# Allegro board 1140022-KU060_PCIE_FIBER_BOARD_V001_pcb166_20240120_1835_pcb.brd (continued)
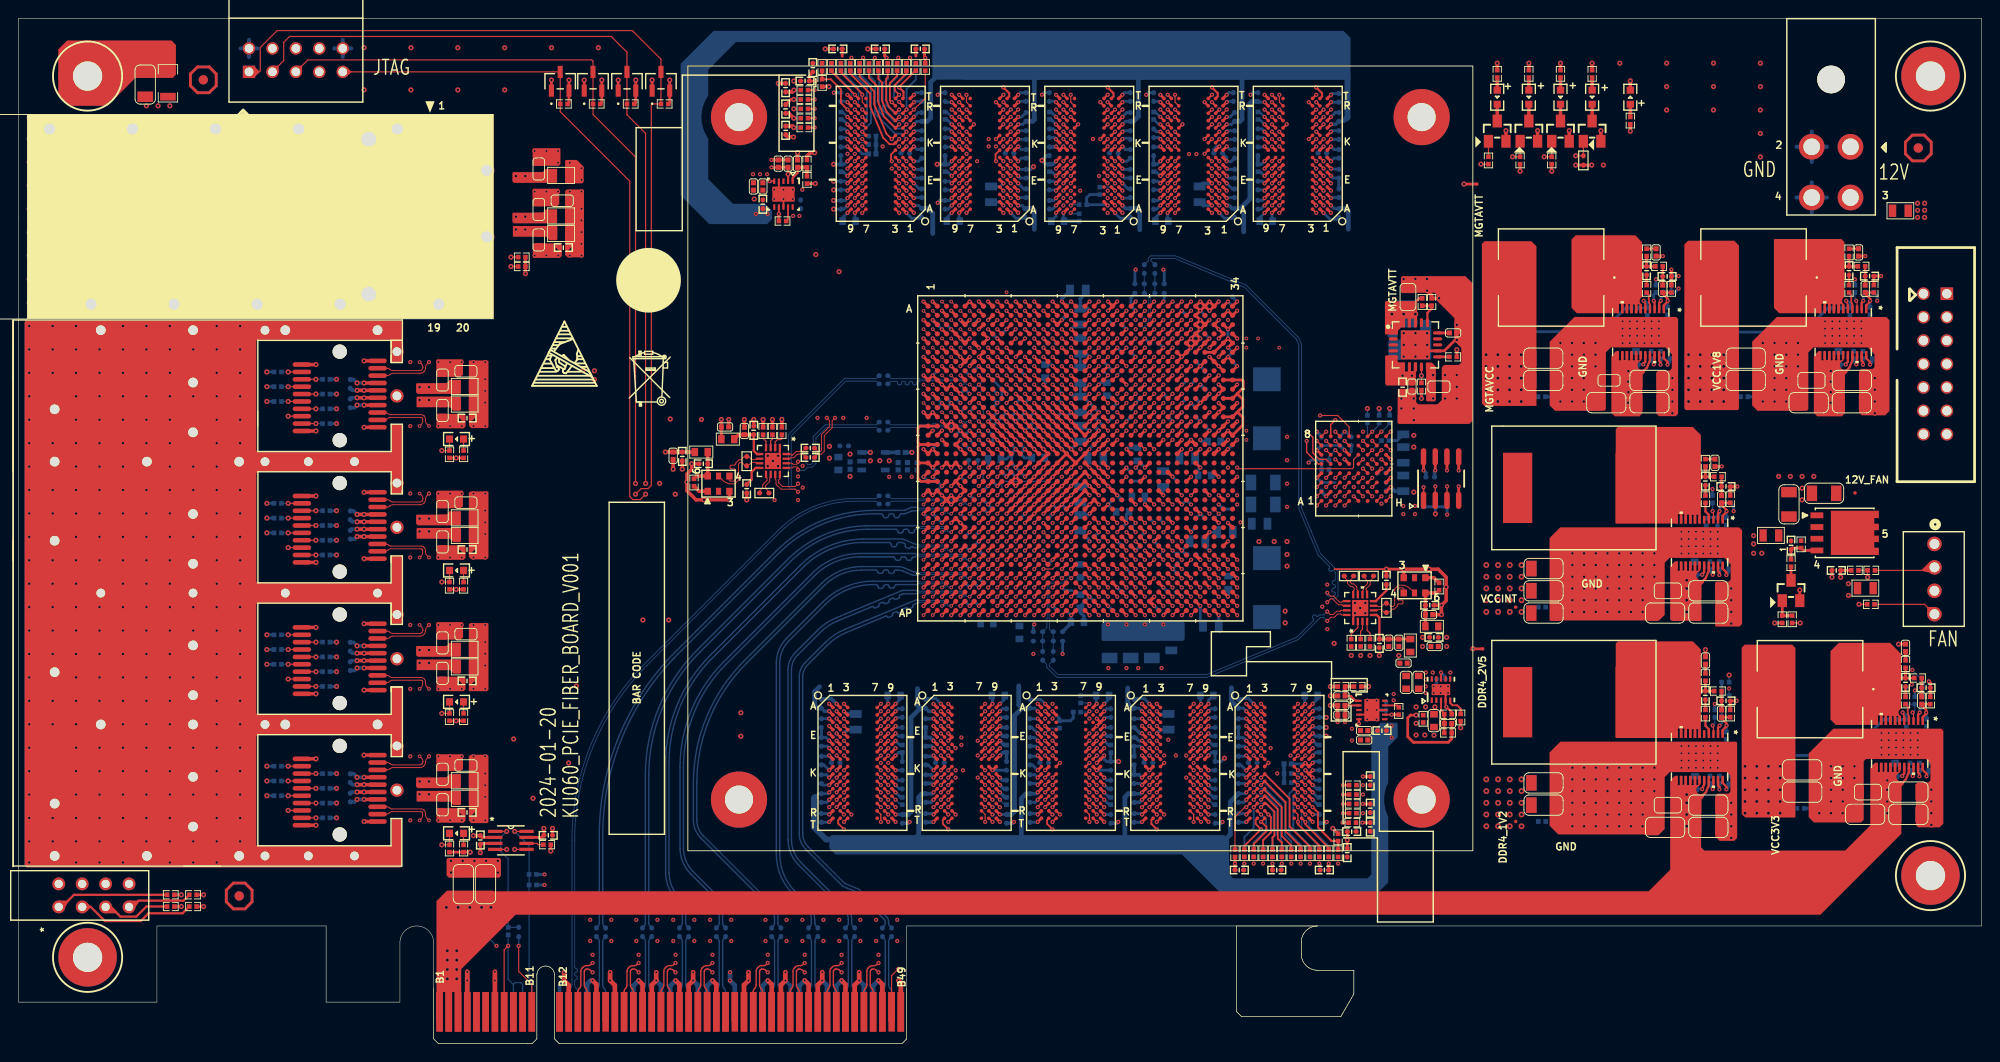
[diagram p0: board, top side]
## Routing (per net, layer and track width the routed paths; a pad name or vN(x,y) marks a point on that pad's centre or on a via; arc(x,y) is an arc through that point) (continued)
CHA_FPGA_DDR4_C1_A6: length 115.4
  TOP w0.201: U5.P2 v1(122.6,25.63) ; U7.P2 v1(133.9,25.63) ; U6.P2 v1(111.29,25.63) ; U3.P2 v1(88.69,25.63) ; U4.P2 v1(99.99,25.63)
  TOP w0.229: U1.AP14 v1(111.11,46.45)
  ART05 w0.137: 87.49,25.23 88.53,25.23 88.69,25.39 v1(88.69,25.63)
  ART05 w0.155: v1(111.11,46.45) 111.2,46.36 111.2,44.91 110.42,44.13 107.65,42.98 107.44,42.98 107.26,43.16 107.26,43.53 107.08,43.71 106.82,43.71 106.64,43.53 106.64,43.16 106.46,42.98 106.2,42.98 106.02,43.16 106.02,43.38 105.84,43.56 105.58,43.56 105.4,43.38 105.4,43.16 105.22,42.98 104.96,42.98 104.78,43.16 104.78,43.38 104.6,43.56 104.34,43.56 104.16,43.38 104.16,43.16 103.98,42.98 103.72,42.98 103.54,43.16 103.54,43.38 103.36,43.56 103.1,43.56 102.92,43.38 102.92,43.16 102.74,42.98 102.48,42.98 102.3,43.16 102.3,43.38 102.12,43.56 101.86,43.56 101.68,43.38 101.68,43.16 101.5,42.98 101.25,42.98 101.06,43.16 101.06,43.38 100.88,43.56 100.63,43.56 100.44,43.38 100.44,43.16 100.26,42.98 99.24,42.98 99.06,43.16 99.06,43.36 98.85,43.58 90.52,43.58 85.72,38.79 85.72,28.88 86.47,28.13 86.47,27.39 86.67,27.2 87.3,27.2 87.45,27.04 87.45,26.73 87.3,26.58 87.05,26.58 86.89,26.42 86.89,25.83 87.49,25.23
  ART12 w0.086: v1(133.9,25.63) 133.85,25.58 133.46,24.65 133.25,24.43 132.96,24.43 132.41,24.21 131.81,23.61 130.37,23.01 127.05,23.01 124.05,26.01 123.14,26.01 122.76,25.63 v1(122.6,25.63) 122.55,25.58 122.16,24.65 121.95,24.43 121.66,24.43 121.11,24.21 120.51,23.61 119.07,23.01 115.75,23.01 112.75,26.01 111.84,26.01 111.46,25.63 v1(111.29,25.63) 111.24,25.58 110.86,24.65 110.64,24.43 110.35,24.43 109.81,24.21 109.21,23.61 107.76,23.01 104.44,23.01 101.45,26.01 100.53,26.01 100.15,25.63 v1(99.99,25.63) 99.94,25.58 99.55,24.65 99.34,24.43 99.05,24.43 98.5,24.21 97.91,23.61 96.46,23.01 93.14,23.01 90.14,26.01 89.06,26.01 v1(88.69,25.63)
  BOTTOM w0.201: R89.1 132.89,22.39 133.9,23.4 v1(133.9,25.63)
CHA_FPGA_DDR4_C1_A7: length 117.8
  TOP w0.201: U5.R8 v1(128.2,24.83) ; U4.R8 v1(105.59,24.83) ; U3.R8 v1(94.29,24.83) ; U7.R8 v1(139.5,24.83) ; U6.R8 v1(116.89,24.83)
  TOP w0.229: U1.AN19 v1(117.11,47.45)
  ART05 w0.137: 112.49,27.63 98.95,27.63 98.53,27.21 ; v1(94.29,24.83) 94.69,25.23 95.44,25.23
  ART05 w0.155: v1(117.11,47.45) 117.11,47.23 117.6,46.74 117.6,46.1 117.26,45.76 117.26,44.64 117.41,44.49 118.08,44.49 118.24,44.33 118.24,44.02 118.08,43.87 117.41,43.87 117.26,43.71 117.26,43.4 117.41,43.25 118.08,43.25 118.24,43.09 118.24,42.78 118.08,42.63 117.41,42.63 117.26,42.47 117.26,42.16 117.41,42.01 118.08,42.01 118.24,41.85 118.24,41.54 118.08,41.39 117.41,41.39 117.26,41.23 117.26,40.04 117.41,39.88 117.9,39.88 118.06,39.73 118.06,39.42 117.9,39.26 117.41,39.26 117.26,39.11 117.26,38.54 117.04,38.33 116.66,38.33 116.5,38.48 116.5,38.73 116.35,38.89 116.04,38.89 115.88,38.73 115.88,38.48 115.73,38.33 114.12,38.33 113.39,37.59 113.39,37.1 113.23,36.94 113.03,36.94 112.88,36.79 112.88,36.48 113.03,36.32 113.23,36.32 113.39,36.17 113.39,35.86 113.23,35.7 112.93,35.7 112.78,35.55 112.78,35.24 112.93,35.08 113.23,35.08 113.39,34.93 113.39,34.62 113.23,34.46 112.93,34.46 112.78,34.31 112.78,34 112.93,33.84 113.23,33.84 113.39,33.69 113.39,33.38 113.23,33.22 112.93,33.22 112.78,33.07 112.78,32.76 112.93,32.6 113.23,32.6 113.39,32.45 113.39,32.14 113.23,31.98 112.93,31.98 112.78,31.83 112.78,31.52 112.93,31.37 113.23,31.37 113.39,31.21 113.39,28.53 112.49,27.63 ; 95.44,25.23 96.56,25.23 98.53,27.21
  ART10 w0.086: v1(94.29,24.83) 94.29,24.64 94.69,24.23 94.69,23.8 94.84,23.65 95.33,23.65 95.56,23.42 95.76,23.42 95.99,23.19 95.99,22.99 96.62,22.35 101.85,22.35 104.33,24.83 v1(105.59,24.83) 105.59,24.64 105.99,24.23 105.99,23.8 106.15,23.65 106.63,23.65 106.86,23.42 107.06,23.42 107.29,23.19 107.29,22.99 107.92,22.35 113.16,22.35 115.64,24.83 v1(116.89,24.83) 116.89,24.64 117.3,24.23 117.3,23.8 117.45,23.65 117.93,23.65 118.16,23.42 118.36,23.42 118.59,23.19 118.59,22.99 119.23,22.35 124.46,22.35 126.94,24.83 v1(128.2,24.83) 128.2,24.64 128.6,24.23 128.6,23.8 128.75,23.65 129.24,23.65 129.46,23.42 129.67,23.42 129.9,23.19 129.9,22.99 130.53,22.35 135.76,22.35 138.24,24.83 v1(139.5,24.83)
  BOTTOM w0.127: v1(139.5,24.83) 139.89,24.44 139.89,23.55
  BOTTOM w0.201: R90.1 142.03,21.41 139.89,23.55
CHA_FPGA_DDR4_C1_A8: length 115.3
  TOP w0.201: v1(123.4,24.83) 123.39,24.83 U5.R2 ; U4.R2 100.79,24.83 v1(100.79,24.83) ; U7.R2 v1(134.7,24.83) ; U6.R2 v1(112.09,24.83) ; U3.R2 v1(89.49,24.83)
  TOP w0.229: U1.AN14 v1(111.11,47.45)
  ART05 w0.137: 88.51,24.43 87.63,24.43
  ART05 w0.155: 87.63,24.43 86.21,25.86 86.21,26.12 86.48,26.39 86.48,26.65 86.3,26.83 86.04,26.83 85.77,26.56 85.51,26.56 85.19,26.87 85.19,27.19 85.37,27.37 85.82,27.37 86,27.56 86,27.81 85.82,27.99 85.37,27.99 85.19,28.17 85.19,38.96 90.27,44.04 106.38,44.04 106.88,44.25 107.72,44.25 108.13,43.84 108.4,43.84 108.72,43.97 108.86,44.11 108.94,44.31 108.74,44.79 108.84,45.03 109.08,45.13 109.31,45.03 109.51,44.55 109.75,44.45 109.89,44.51 110.64,45.26 110.64,46.63 111.11,47.1 v1(111.11,47.45) ; 88.51,24.43 88.91,24.83 v1(89.49,24.83)
  ART12 w0.086: v1(89.49,24.83) 89.6,24.83 92.41,22.02 97.93,22.02 99.04,22.48 100.33,23.77 100.33,24.15 100.49,24.53 v1(100.79,24.83) 100.9,24.83 103.71,22.02 109.23,22.02 110.34,22.48 111.63,23.77 111.63,24.15 111.79,24.53 v1(112.09,24.83) 112.2,24.83 115.01,22.02 120.53,22.02 121.64,22.48 122.94,23.77 122.94,24.15 123.09,24.53 v1(123.4,24.83) 123.5,24.83 126.31,22.02 131.84,22.02 132.95,22.48 134.24,23.77 134.24,24.15 134.4,24.53 v1(134.7,24.83)
  BOTTOM w0.201: R91.1 133.9,21.8 135.25,23.14 135.25,24.28 v1(134.7,24.83)
CHA_FPGA_DDR4_C1_A9: length 120.9
  TOP w0.127: U4.R7 104.79,24.83 v1(104.79,24.03)
  TOP w0.152: v1(93.49,24.03) 93.49,24.83 U3.R7 ; v1(116.09,24.03) 116.09,24.83 U6.R7 ; U7.R7 138.7,24.83 v1(138.7,24.03) ; U5.R7 127.39,24.83 v1(127.39,24.03)
  TOP w0.201: R92.1 141.02,21.47 138.7,23.79 v1(138.7,24.03)
  TOP w0.229: U1.AL19 v1(117.11,49.45)
  ART05 w0.137: 112.46,26.03 98.88,26.03
  ART05 w0.155: 98.88,26.03 98.17,25.32 98.17,24.41 97.21,23.44 94.07,23.44 v1(93.49,24.03) ; v1(117.11,49.45) 117.11,49.39 117.6,48.9 117.6,48.18 117.83,47.96 118.41,47.96 118.87,47.5 119.13,47.5 119.58,47.04 119.58,46.13 119.28,45.82 119.28,38.94 117.63,37.29 115.65,37.29 115.24,36.88 115.24,29.79 115.08,29.63 114.56,29.63 114.4,29.48 114.4,29.17 114.56,29.02 115.08,29.02 115.24,28.86 115.24,28.55 115.08,28.4 114.56,28.4 114.4,28.24 114.4,27.93 114.56,27.78 115.08,27.78 115.24,27.62 115.24,27.2 115.05,27.02 114.83,27.02 114.72,27.13 114.5,27.13 114.28,26.91 114.28,26.69 114.39,26.58 114.39,26.36 114.07,26.03 112.46,26.03
  ART10 w0.086: v1(138.7,24.03) 137.79,23.13 137.79,22.99 136.4,21.59 129.34,21.59 128.79,22.14 128.79,22.39 128.57,22.61 128.32,22.61 127.39,23.53 v1(127.39,24.03) 126.49,23.13 126.49,22.99 125.09,21.59 118.03,21.59 117.49,22.14 117.49,22.39 117.27,22.61 117.02,22.61 116.09,23.53 v1(116.09,24.03) 115.19,23.13 115.19,22.99 113.79,21.59 106.73,21.59 106.19,22.14 106.19,22.39 105.97,22.61 105.71,22.61 104.79,23.53 v1(104.79,24.03) 103.89,23.13 103.89,22.99 102.49,21.59 95.43,21.59 94.88,22.14 94.88,22.39 94.67,22.61 94.41,22.61 93.49,23.53 v1(93.49,24.03)
CHA_FPGA_DDR4_C1_A10: length 120.9
  TOP w0.201: v1(134.7,27.23) U7.M3 135.1,27.46 136.95,25.61 136.95,22.5 137.97,21.49 R93.1 ; U5.M3 v1(123.4,27.23) ; U3.M3 v1(89.49,27.23) ; U6.M3 v1(112.09,27.23) ; U4.M3 v1(100.79,27.23)
  TOP w0.229: U1.AK15 v1(112.11,50.45)
  ART03 w0.137: v1(89.49,27.23) 89.18,27.11 88.98,26.9 88.81,26.83 88.52,26.83 88.29,26.6 88.29,26.26 88.06,26.03 87.5,26.03
  ART03 w0.155: 87.5,26.03 87.38,26.03 82.82,30.59 82.82,40.88 93.34,51.41 95.53,52.31 95.98,52.5 97.23,52.5 97.79,51.94 110.11,51.94 110.32,51.86 110.57,51.61 110.75,51.18 110.84,51.08 111.22,50.93 v1(112.11,50.45)
  ART12 w0.086: v1(134.7,27.23) 134.44,27.23 134.06,26.85 132.26,26.85 131.91,26.7 129.64,24.43 127.88,24.43 127.8,24.52 127.8,24.58 127.71,24.66 127.54,24.66 127.45,24.58 127.45,24.52 127.37,24.43 127.1,24.43 124.31,27.23 v1(123.4,27.23) 123.14,27.23 122.76,26.85 120.96,26.85 120.6,26.7 118.34,24.43 116.58,24.43 116.49,24.52 116.49,24.58 116.41,24.66 116.24,24.66 116.15,24.58 116.15,24.52 116.06,24.43 115.8,24.43 113,27.23 v1(112.09,27.23) 111.84,27.23 111.46,26.85 109.66,26.85 109.3,26.7 107.04,24.43 105.28,24.43 105.19,24.52 105.19,24.58 105.11,24.66 104.93,24.66 104.85,24.58 104.85,24.52 104.76,24.43 104.5,24.43 101.7,27.23 v1(100.79,27.23) 100.54,27.23 100.15,26.85 98.35,26.85 98,26.7 95.73,24.43 93.97,24.43 93.89,24.52 93.89,24.58 93.8,24.66 93.63,24.66 93.54,24.58 93.54,24.52 93.46,24.43 93.19,24.43 90.4,27.23 v1(89.49,27.23)
CHA_FPGA_DDR4_C1_A11: length 122.7
  TOP w0.201: v1(100.79,23.23) 100.2,23.82 100.2,24.25 U4.T2 ; U6.T2 111.51,24.25 111.51,23.82 v1(112.09,23.23) ; v1(89.49,23.23) 88.86,23.86 88.86,24.2 U3.T2 ; R94.1 132.89,21.42 v1(134.7,23.23) 134.11,23.82 134.11,24.25 U7.T2 ; U5.T2 122.81,24.25 122.81,23.82 v1(123.4,23.23)
  TOP w0.229: U1.AH16 v1(113.11,52.45)
  ART05 w0.155: v1(113.11,52.45) 112.62,51.97 112.62,51.69 111.61,50.67 111.61,49.33 111.29,49.01 110.83,49.01 110.57,48.74 110.57,48.29 110.21,47.93 109.93,47.93 109.6,47.6 109.6,47.22 109.32,46.94 108.86,46.94 108.61,46.69 108.61,46.28 108.19,45.85 107.49,45.57 106.02,44.96 89.84,44.96 84.23,39.34 84.23,25.22 86.22,23.23 v1(89.49,23.23)
  ART12 w0.086: v1(134.7,23.23) 132.75,21.29 125.7,21.29 125.13,21.86 125.13,21.98 125.21,22.06 125.21,22.19 125.09,22.31 124.97,22.31 124.89,22.23 124.76,22.23 124.64,22.35 124.64,22.47 124.71,22.54 124.71,22.66 124.59,22.78 124.47,22.78 124.34,22.66 123.67,22.66 123.4,22.93 v1(123.4,23.23) 121.45,21.29 114.4,21.29 113.83,21.86 113.83,21.98 113.91,22.06 113.91,22.19 113.79,22.31 113.66,22.31 113.58,22.23 113.46,22.23 113.34,22.35 113.34,22.47 113.41,22.54 113.41,22.66 113.28,22.78 113.16,22.78 113.04,22.66 112.37,22.66 112.09,22.93 v1(112.09,23.23) 110.15,21.29 103.1,21.29 102.52,21.86 102.52,21.98 102.6,22.06 102.6,22.19 102.48,22.31 102.36,22.31 102.28,22.23 102.16,22.23 102.03,22.35 102.03,22.47 102.1,22.54 102.1,22.66 101.98,22.78 101.86,22.78 101.73,22.66 101.07,22.66 100.79,22.93 v1(100.79,23.23) 98.84,21.29 91.8,21.29 91.22,21.86 91.22,21.98 91.3,22.06 91.3,22.19 91.18,22.31 91.06,22.31 90.98,22.23 90.85,22.23 90.73,22.35 90.73,22.47 90.8,22.54 90.8,22.66 90.68,22.78 90.56,22.78 90.43,22.66 89.76,22.66 89.49,22.93 v1(89.49,23.23)
CHA_FPGA_DDR4_C1_A12: length 120.8
  TOP w0.201: U4.M7 v1(104.79,27.23) ; U6.M7 v1(116.09,27.23) ; U5.M7 v1(127.39,27.23) ; U3.M7 v1(93.49,27.23) ; U7.M7 v1(138.7,27.23)
  TOP w0.229: U1.AM17 v1(114.11,48.45)
  ART03 w0.155: v1(114.11,48.45) 114.11,48.16 113.95,48.01 112.7,48.01 112.55,47.85 112.55,45.95 112.14,45.54 110.94,45.54 110.79,45.39 110.79,44.81 110.63,44.65 109.74,44.65 109.58,44.81 109.58,45.39 109.43,45.54 107.88,45.54 107.72,45.39 107.72,44.81 107.57,44.65 106.41,44.65 106.25,44.81 106.25,45.36 106.1,45.52 105.79,45.52 105.63,45.36 105.63,44.81 105.48,44.65 104.8,44.65 104.65,44.81 104.65,45.21 104.32,45.54 101.99,45.54 101.84,45.39 101.84,45.07 101.42,44.65 91.59,44.65 85.89,38.95 85.89,31.79 87.2,30.48 89.59,30.48 90.12,29.95 90.12,29.44 91.67,27.89 92.83,27.89 v1(93.49,27.23)
  ART10 w0.086: v1(138.7,27.23) 138.64,27.18 137.16,27.18 136.83,26.85 135.69,26.85 135.59,26.95 135.59,27.18 135.49,27.28 135.28,27.28 135.18,27.18 135.18,26.95 135.08,26.85 132.28,26.85 130.8,28.34 130.59,28.42 130.07,28.42 129.97,28.32 129.97,28.19 129.87,28.09 129.66,28.09 129.56,28.19 129.56,28.32 129.46,28.42 128.78,28.42 128.6,28.24 128.6,27.89 128.35,27.64 127.97,27.64 127.56,27.23 v1(127.39,27.23) 127.34,27.18 125.86,27.18 125.53,26.85 124.39,26.85 124.28,26.95 124.28,27.18 124.18,27.28 123.98,27.28 123.88,27.18 123.88,26.95 123.78,26.85 120.98,26.85 119.49,28.34 119.28,28.42 118.77,28.42 118.67,28.32 118.67,28.19 118.56,28.09 118.36,28.09 118.26,28.19 118.26,28.32 118.16,28.42 117.47,28.42 117.3,28.24 117.3,27.89 117.04,27.64 116.66,27.64 116.26,27.23 v1(116.09,27.23) 116.04,27.18 114.55,27.18 114.22,26.85 113.08,26.85 112.98,26.95 112.98,27.18 112.88,27.28 112.68,27.28 112.58,27.18 112.58,26.95 112.47,26.85 109.68,26.85 108.19,28.34 107.98,28.42 107.46,28.42 107.36,28.32 107.36,28.19 107.26,28.09 107.06,28.09 106.96,28.19 106.96,28.32 106.85,28.42 106.17,28.42 105.99,28.24 105.99,27.89 105.74,27.64 105.36,27.64 104.96,27.23 v1(104.79,27.23) 104.74,27.18 103.25,27.18 102.92,26.85 101.78,26.85 101.68,26.95 101.68,27.18 101.58,27.28 101.37,27.28 101.27,27.18 101.27,26.95 101.17,26.85 98.37,26.85 96.89,28.34 96.68,28.42 96.16,28.42 96.06,28.32 96.06,28.19 95.96,28.09 95.75,28.09 95.65,28.19 95.65,28.32 95.55,28.42 94.87,28.42 94.69,28.24 94.69,27.89 94.44,27.64 94.06,27.64 93.65,27.23 v1(93.49,27.23)
  BOTTOM w0.201: v1(138.7,27.23) 138.57,27.23 138.19,26.85 138.19,23.22 140,21.41 R95.1
CHA_FPGA_DDR4_C1_A13: length 117.7
  TOP w0.201: U3.T8 v1(94.29,24.03) ; U5.T8 v1(128.2,24.03) ; U7.T8 v1(139.5,24.03) 139.5,23.77 142.03,21.24 R96.1 ; U4.T8 v1(105.59,24.03) ; U6.T8 v1(116.89,24.03)
  TOP w0.229: U1.AM19 v1(117.11,48.45)
  ART05 w0.137: 112.48,26.83 98.92,26.83 98.76,26.67 ; 95.39,24.43 94.69,24.43 v1(94.29,24.03)
  ART05 w0.155: v1(117.11,48.45) 117.11,48.17 117.6,47.68 117.6,47.32 117.93,46.99 118.24,46.99 118.62,46.61 118.62,45.75 118.77,45.6 118.77,39.37 117.22,37.82 114.25,37.82 113.89,37.47 113.89,37.05 114.05,36.9 114.6,36.9 114.76,36.74 114.76,36.43 114.6,36.28 114.05,36.28 113.89,36.12 113.89,35.81 114.05,35.66 114.6,35.66 114.76,35.5 114.76,35.19 114.6,35.04 114.05,35.04 113.89,34.88 113.89,34.57 114.05,34.42 114.6,34.42 114.76,34.26 114.76,33.95 114.6,33.8 114.05,33.8 113.89,33.64 113.89,33.33 114.05,33.18 114.6,33.18 114.76,33.02 114.76,32.71 114.6,32.56 114.05,32.56 113.89,32.4 113.89,32.09 114.05,31.94 114.6,31.94 114.76,31.78 114.76,31.47 114.6,31.32 114.05,31.32 113.89,31.16 113.89,30.85 114.05,30.7 114.6,30.7 114.76,30.54 114.76,30.23 114.6,30.08 114.05,30.08 113.89,29.92 113.89,27.71 113.01,26.83 112.48,26.83 ; 95.39,24.43 96.52,24.43 98.76,26.67
  ART10 w0.086: v1(139.5,24.03) 139.07,24.46 138.51,24.46 136.02,21.97 129.92,21.97 129.4,22.49 129.4,22.64 129.45,22.68 129.45,22.83 129.3,22.97 129.16,22.97 129.11,22.92 128.97,22.92 128.26,23.64 128.2,23.78 v1(128.2,24.03) 127.77,24.46 127.2,24.46 124.71,21.97 118.62,21.97 118.1,22.49 118.1,22.64 118.14,22.68 118.14,22.83 118,22.97 117.86,22.97 117.81,22.92 117.67,22.92 116.95,23.64 116.89,23.78 v1(116.89,24.03) 116.46,24.46 115.9,24.46 113.41,21.97 107.31,21.97 106.79,22.49 106.79,22.64 106.84,22.68 106.84,22.83 106.7,22.97 106.55,22.97 106.51,22.92 106.36,22.92 105.65,23.64 105.59,23.78 v1(105.59,24.03) 105.16,24.46 104.6,24.46 102.11,21.97 96.01,21.97 95.49,22.49 95.49,22.64 95.54,22.68 95.54,22.83 95.39,22.97 95.25,22.97 95.2,22.92 95.06,22.92 94.35,23.64 94.29,23.78 v1(94.29,24.03)
CHA_FPGA_DDR4_C1_ACT: length 122.4
  TOP w0.201: U3.L3 v1(89.49,28.03) ; v1(134.7,28.03) U7.L3 137.36,26.17 137.36,22.99 138.98,21.37 R110.1 ; U5.L3 v1(123.4,28.03) ; U4.L3 v1(100.79,28.03) ; U6.L3 v1(112.09,28.03)
  TOP w0.229: U1.AM16 v1(113.11,48.45)
  ART03 w0.137: v1(89.49,28.03) 89.49,28.29 89.35,28.43 87.51,28.43
  ART03 w0.155: v1(113.11,48.45) 113.11,48.77 112.95,48.92 97.7,48.92 97.54,48.77 97.54,47.63 97.39,47.47 97.08,47.47 96.92,47.63 96.92,48.77 96.77,48.92 96.46,48.92 96.3,48.77 96.3,47.63 96.15,47.47 95.84,47.47 95.68,47.63 95.68,48.77 95.53,48.92 95.22,48.92 95.06,48.77 95.06,48.31 94.91,48.16 94.6,48.16 94.44,48.31 94.44,48.77 94.29,48.92 93.37,48.92 84.32,39.87 84.32,31.23 87.11,28.43 87.51,28.43
  ART12 w0.086: v1(134.7,28.03) 134.46,28.03 134.05,27.62 133.69,27.62 133.48,27.84 133.48,28.24 133.27,28.45 132.46,28.45 130.05,26.04 127.13,26.04 125.27,27.89 124.94,28.03 v1(123.4,28.03) 123.15,28.03 122.75,27.62 122.39,27.62 122.17,27.84 122.17,28.24 121.97,28.45 121.16,28.45 118.75,26.04 115.82,26.04 113.97,27.89 113.63,28.03 v1(112.09,28.03) 111.85,28.03 111.44,27.62 111.09,27.62 110.87,27.84 110.87,28.24 110.67,28.45 109.86,28.45 107.44,26.04 104.52,26.04 102.66,27.89 102.33,28.03 v1(100.79,28.03) 100.55,28.03 100.14,27.62 99.78,27.62 99.57,27.84 99.57,28.24 99.36,28.45 98.55,28.45 96.14,26.04 93.22,26.04 91.36,27.89 91.03,28.03 v1(89.49,28.03)
CHA_FPGA_DDR4_C1_ALERT: length 123.7
  TOP w0.155: U7.P9 v1(140.3,25.63) ; U4.P9 v1(106.39,25.63) ; U5.P9 v1(128.99,25.63) ; U6.P9 v1(117.69,25.63) ; U3.P9 v1(95.09,25.63)
  TOP w0.201: 140.87,23.44 140.87,25.06 v1(140.3,25.63)
  TOP w0.229: R80.2 R81.2 142.35,21.96 140.87,23.44 ; U1.AG16 v1(113.11,53.45)
  ART03 w0.086: 93.95,25.25 94.7,25.25 v1(95.09,25.63) 98.32,25.63 98.7,25.25 106,25.25 v1(106.39,25.63) 109.62,25.63 110.03,25.22 117.28,25.22 v1(117.69,25.63) 120.93,25.63 121.34,25.22 128.59,25.22 v1(128.99,25.63) 132.23,25.63 132.64,25.22 139.89,25.22 v1(140.3,25.63)
  ART03 w0.155: 93.95,25.25 93.65,24.94 92.51,24.94 90.17,22.61 88.44,22.61 80.9,30.15 80.9,41.5 93.37,53.98 112.58,53.98 v1(113.11,53.45)
CHA_FPGA_DDR4_C1_BA0: length 124.9
  TOP w0.201: U3.N2 v1(88.69,26.43) ; U7.N2 v1(133.9,26.43) ; U5.N2 v1(122.6,26.43) ; U4.N2 v1(99.99,26.43) ; U6.N2 v1(111.29,26.43)
  TOP w0.229: U1.AG17 v1(114.11,53.45)
  ART05 w0.137: 87.07,27.66 87.1,27.63 88.05,27.63 88.29,27.39 88.29,26.57 88.42,26.43 v1(88.69,26.43)
  ART05 w0.155: 87.07,27.66 86.88,27.85 86.88,28.44 86.21,29.11 86.21,38.56 90.75,43.1 91.37,43.1 91.55,42.92 91.55,42.5 91.74,42.32 91.99,42.32 92.17,42.5 92.17,42.92 92.36,43.1 92.61,43.1 92.79,42.92 92.79,42.5 92.98,42.32 93.23,42.32 93.41,42.5 93.41,42.92 93.59,43.1 93.85,43.1 94.03,42.92 94.03,42.5 94.21,42.32 94.47,42.32 94.65,42.5 94.65,42.92 94.83,43.1 95.09,43.1 95.27,42.92 95.27,42.5 95.45,42.32 95.71,42.32 95.89,42.5 95.89,42.92 96.07,43.1 98.37,43.1 99.03,42.44 107.65,42.44 109.79,43.33 110.36,43.33 111.66,44.63 111.66,47.65 111.86,47.85 112.05,47.93 113.44,47.93 113.64,48.13 113.64,49.04 113.82,49.22 114.17,49.22 114.35,49.41 114.35,49.66 114.17,49.84 113.82,49.84 113.64,50.02 113.64,53.3 113.79,53.45 v1(114.11,53.45)
  ART12 w0.086: v1(88.69,26.43) 89.08,26.82 90.3,26.82 93,24.12 93,23.96 93.32,23.65 95.5,23.65 97.06,25.2 99.07,26.04 99.47,26.04 99.86,26.43 v1(99.99,26.43) 100.12,26.43 100.51,26.82 101.6,26.82 104.31,24.12 104.31,23.96 104.62,23.65 106.81,23.65 108.36,25.2 110.37,26.04 110.77,26.04 111.17,26.43 v1(111.29,26.43) 111.42,26.43 111.81,26.82 112.9,26.82 115.61,24.12 115.61,23.96 115.93,23.65 118.11,23.65 119.67,25.2 121.67,26.04 122.07,26.04 122.47,26.43 v1(122.6,26.43) 122.72,26.43 123.11,26.82 124.21,26.82 126.91,24.12 126.91,23.96 127.23,23.65 129.41,23.65 130.97,25.2 132.98,26.04 133.38,26.04 133.77,26.43 v1(133.9,26.43)
  BOTTOM w0.127: 135.14,26.04 134.31,26.04 133.91,26.43 v1(133.9,26.43)
  BOTTOM w0.201: 135.14,26.04 135.2,26.04 136.06,25.18 136.06,23.22 134.92,22.08 R97.1
CHA_FPGA_DDR4_C1_BA1: length 116.5
  TOP w0.201: U5.N8 v1(128.2,26.43) ; U4.N8 v1(105.59,26.43) ; U6.N8 v1(116.89,26.43) ; U3.N8 v1(94.29,26.43) ; U7.N8 v1(139.5,26.43)
  TOP w0.229: U1.AN17 v1(114.11,47.45) ; R98.1 v1(143.58,24.97)
  ART05 w0.137: 91.94,26.83 92.36,26.83 92.5,26.97 92.5,27.29 92.63,27.43 92.91,27.43 93.04,27.29 93.04,26.97 93.18,26.83 94.07,26.83 94.29,26.62 v1(94.29,26.43)
  ART05 w0.155: 91.94,26.83 90.55,28.22 90.55,28.8 90.4,28.95 90.12,28.95 89.97,29.11 89.97,29.42 90.12,29.57 90.4,29.57 90.55,29.73 90.55,30.04 90.4,30.19 90.12,30.19 89.97,30.35 89.97,30.66 90.12,30.81 90.4,30.81 90.55,30.97 90.55,31.28 90.4,31.43 90.12,31.43 89.97,31.59 89.97,31.9 90.12,32.05 90.4,32.05 90.55,32.21 90.55,32.52 90.4,32.67 90.12,32.67 89.97,32.82 89.97,33.13 90.12,33.29 90.4,33.29 90.55,33.44 90.55,33.75 90.4,33.91 90.12,33.91 89.97,34.06 89.97,34.37 90.12,34.53 90.4,34.53 90.55,34.68 90.55,35.02 90.4,35.17 90.22,35.17 90.07,35.33 90.07,35.64 90.22,35.79 90.4,35.79 90.55,35.95 90.55,37.12 90.4,37.28 89.23,37.28 89.08,37.43 89.08,37.74 89.23,37.9 90.4,37.9 92.2,39.7 109.91,39.7 113.84,43.64 113.84,45.97 113.59,46.23 113.59,46.93 v1(114.11,47.45)
  ART10 w0.086: 140.48,26.04 140.05,26.04 139.65,26.43 v1(139.5,26.43) 139.31,26.43 138.91,26.04 138.05,26.04 137.29,25.27 136.65,25.27 135.81,24.43 134.09,24.43 133.99,24.54 133.99,24.71 133.89,24.82 133.68,24.82 133.58,24.71 133.58,24.54 133.48,24.43 132.11,24.43 131.74,24.8 131.74,24.94 131.82,25.01 131.82,25.16 131.67,25.3 131.53,25.3 131.46,25.23 131.31,25.23 130.51,26.04 128.78,26.04 128.38,26.43 v1(128.2,26.43) 128.01,26.43 127.61,26.04 126.75,26.04 125.98,25.27 125.35,25.27 124.51,24.43 122.79,24.43 122.68,24.54 122.68,24.71 122.58,24.82 122.38,24.82 122.28,24.71 122.28,24.54 122.18,24.43 120.8,24.43 120.44,24.8 120.44,24.94 120.51,25.01 120.51,25.16 120.37,25.3 120.23,25.3 120.15,25.23 120.01,25.23 119.2,26.04 117.47,26.04 117.08,26.43 v1(116.89,26.43) 116.7,26.43 116.31,26.04 115.44,26.04 114.68,25.27 114.05,25.27 113.21,24.43 111.48,24.43 111.38,24.54 111.38,24.71 111.28,24.82 111.08,24.82 110.98,24.71 110.98,24.54 110.87,24.43 109.5,24.43 109.14,24.8 109.14,24.94 109.21,25.01 109.21,25.16 109.07,25.3 108.92,25.3 108.85,25.23 108.71,25.23 107.9,26.04 106.17,26.04 105.78,26.43 v1(105.59,26.43) 105.4,26.43 105,26.04 104.14,26.04 103.38,25.27 102.74,25.27 101.9,24.43 100.18,24.43 100.08,24.54 100.08,24.71 99.98,24.82 99.77,24.82 99.67,24.71 99.67,24.54 99.57,24.43 98.2,24.43 97.84,24.8 97.84,24.94 97.91,25.01 97.91,25.16 97.76,25.3 97.62,25.3 97.55,25.23 97.4,25.23 96.6,26.04 94.87,26.04 94.47,26.43 v1(94.29,26.43)
  ART10 w0.155: 140.48,26.04 141.62,26.04 142.69,24.97 v1(143.58,24.97)
CHA_FPGA_DDR4_C1_BG0: length 122
  TOP w0.201: U3.M2 v1(88.69,27.23) ; U4.M2 v1(99.99,27.23) ; U7.M2 v1(133.9,27.23) ; U6.M2 v1(111.29,27.23) ; U5.M2 v1(122.6,27.23)
  TOP w0.229: U1.AL15 v1(112.11,49.45)
  ART03 w0.137: 87.54,26.83 88.1,26.83 88.5,27.23 v1(88.69,27.23)
  ART03 w0.155: 87.54,26.83 87.27,26.83 83.3,30.8 83.3,40.7 92.74,50.14 93.07,50.14 93.42,50.49 93.42,50.83 93.59,50.99 94.47,51.36 94.75,51.36 94.9,51.2 94.9,51.11 95.06,50.95 95.35,50.95 95.5,51.11 95.5,51.76 95.66,51.92 95.97,51.92 96.12,51.76 96.12,51.11 96.28,50.95 96.59,50.95 96.74,51.11 96.74,51.76 96.9,51.92 97.21,51.92 97.36,51.76 97.36,51.11 97.52,50.95 110.46,50.95 110.62,50.8 110.62,50.11 110.79,49.94 111.95,49.94 112.11,49.78 v1(112.11,49.45)
  ART12 w0.086: v1(88.69,27.23) 89.06,27.61 90.67,27.61 90.82,27.55 92.2,26.16 92.33,26.16 92.37,26.2 92.49,26.2 92.61,26.08 92.61,25.96 92.57,25.91 92.57,25.79 93.14,25.22 95.94,25.22 98.32,27.61 99.39,27.61 99.77,27.23 v1(99.99,27.23) 100.13,27.23 100.51,27.61 101.97,27.61 102.12,27.55 103.51,26.16 103.63,26.16 103.67,26.2 103.79,26.2 103.92,26.08 103.92,25.96 103.87,25.91 103.87,25.79 104.44,25.22 107.24,25.22 109.63,27.61 110.69,27.61 111.07,27.23 v1(111.29,27.23) 111.43,27.23 111.81,27.61 113.27,27.61 113.42,27.55 114.81,26.16 114.93,26.16 114.98,26.2 115.1,26.2 115.22,26.08 115.22,25.96 115.18,25.91 115.18,25.79 115.75,25.22 118.54,25.22 120.93,27.61 122,27.61 122.37,27.23 v1(122.6,27.23) 122.74,27.23 123.11,27.61 124.58,27.61 124.72,27.55 126.11,26.16 126.24,26.16 126.28,26.2 126.4,26.2 126.52,26.08 126.52,25.96 126.48,25.91 126.48,25.79 127.05,25.22 129.84,25.22 132.23,27.61 133.3,27.61 133.68,27.23 v1(133.9,27.23)
  BOTTOM w0.127: 135.21,26.83 134.43,26.83 134.03,27.23 v1(133.9,27.23)
  BOTTOM w0.201: R100.1 135.94,22.31 136.47,22.84 136.47,25.66 135.3,26.83 135.21,26.83
CHA_FPGA_DDR4_C1_CAS: length 120.5
  TOP w0.201: U6.M8 v1(116.89,27.23) ; U5.M8 v1(128.2,27.23) ; U4.M8 v1(105.59,27.23) ; U7.M8 v1(139.5,27.23) ; U3.M8 v1(94.29,27.23)
  TOP w0.229: R105.1 v1(143.58,27) ; U1.AJ19 v1(117.11,51.45)
  ART03 w0.137: 87.41,32.63 87.61,32.43 91.13,32.43 91.27,32.3 91.27,32.22 91.41,32.08 91.68,32.08 91.82,32.22 91.82,32.3 91.96,32.43 94.55,32.43 94.69,32.3 94.69,27.63 v1(94.29,27.23)
  ART03 w0.155: v1(117.11,51.45) 116.98,51.45 116.59,51.05 116.59,46.15 113.61,43.18 92.79,43.18 87.41,37.81 87.41,32.63
  ART10 w0.086: 140.53,27.64 140.08,27.64 139.67,27.23 v1(139.5,27.23) 139.25,27.23 138.86,26.85 137.5,26.85 137.14,26.7 136.48,26.04 135.72,26.04 135.62,26.14 135.62,26.24 135.52,26.34 135.31,26.34 135.21,26.24 135.21,26.14 135.11,26.04 132.21,26.04 130.61,27.64 130.02,27.64 129.92,27.53 129.92,27.18 129.82,27.08 129.61,27.08 129.51,27.18 129.51,27.53 129.41,27.64 128.83,27.64 128.43,27.23 v1(128.2,27.23) 127.94,27.23 127.56,26.85 126.19,26.85 125.84,26.7 125.17,26.04 124.42,26.04 124.32,26.14 124.32,26.24 124.22,26.34 124.01,26.34 123.91,26.24 123.91,26.14 123.81,26.04 120.9,26.04 119.3,27.64 118.72,27.64 118.62,27.53 118.62,27.18 118.52,27.08 118.31,27.08 118.21,27.18 118.21,27.53 118.11,27.64 117.53,27.64 117.12,27.23 v1(116.89,27.23) 116.64,27.23 116.26,26.85 114.89,26.85 114.54,26.7 113.87,26.04 113.12,26.04 113.01,26.14 113.01,26.24 112.91,26.34 112.71,26.34 112.61,26.24 112.61,26.14 112.51,26.04 109.6,26.04 108,27.64 107.42,27.64 107.31,27.53 107.31,27.18 107.21,27.08 107.01,27.08 106.91,27.18 106.91,27.53 106.81,27.64 106.22,27.64 105.82,27.23 v1(105.59,27.23) 105.34,27.23 104.95,26.85 103.59,26.85 103.23,26.7 102.57,26.04 101.81,26.04 101.71,26.14 101.71,26.24 101.61,26.34 101.41,26.34 101.3,26.24 101.3,26.14 101.2,26.04 98.3,26.04 96.7,27.64 96.11,27.64 96.01,27.53 96.01,27.18 95.91,27.08 95.71,27.08 95.6,27.18 95.6,27.53 95.5,27.64 94.92,27.64 94.52,27.23 v1(94.29,27.23)